# Altium PCB 主板6.PcbDoc (continued)
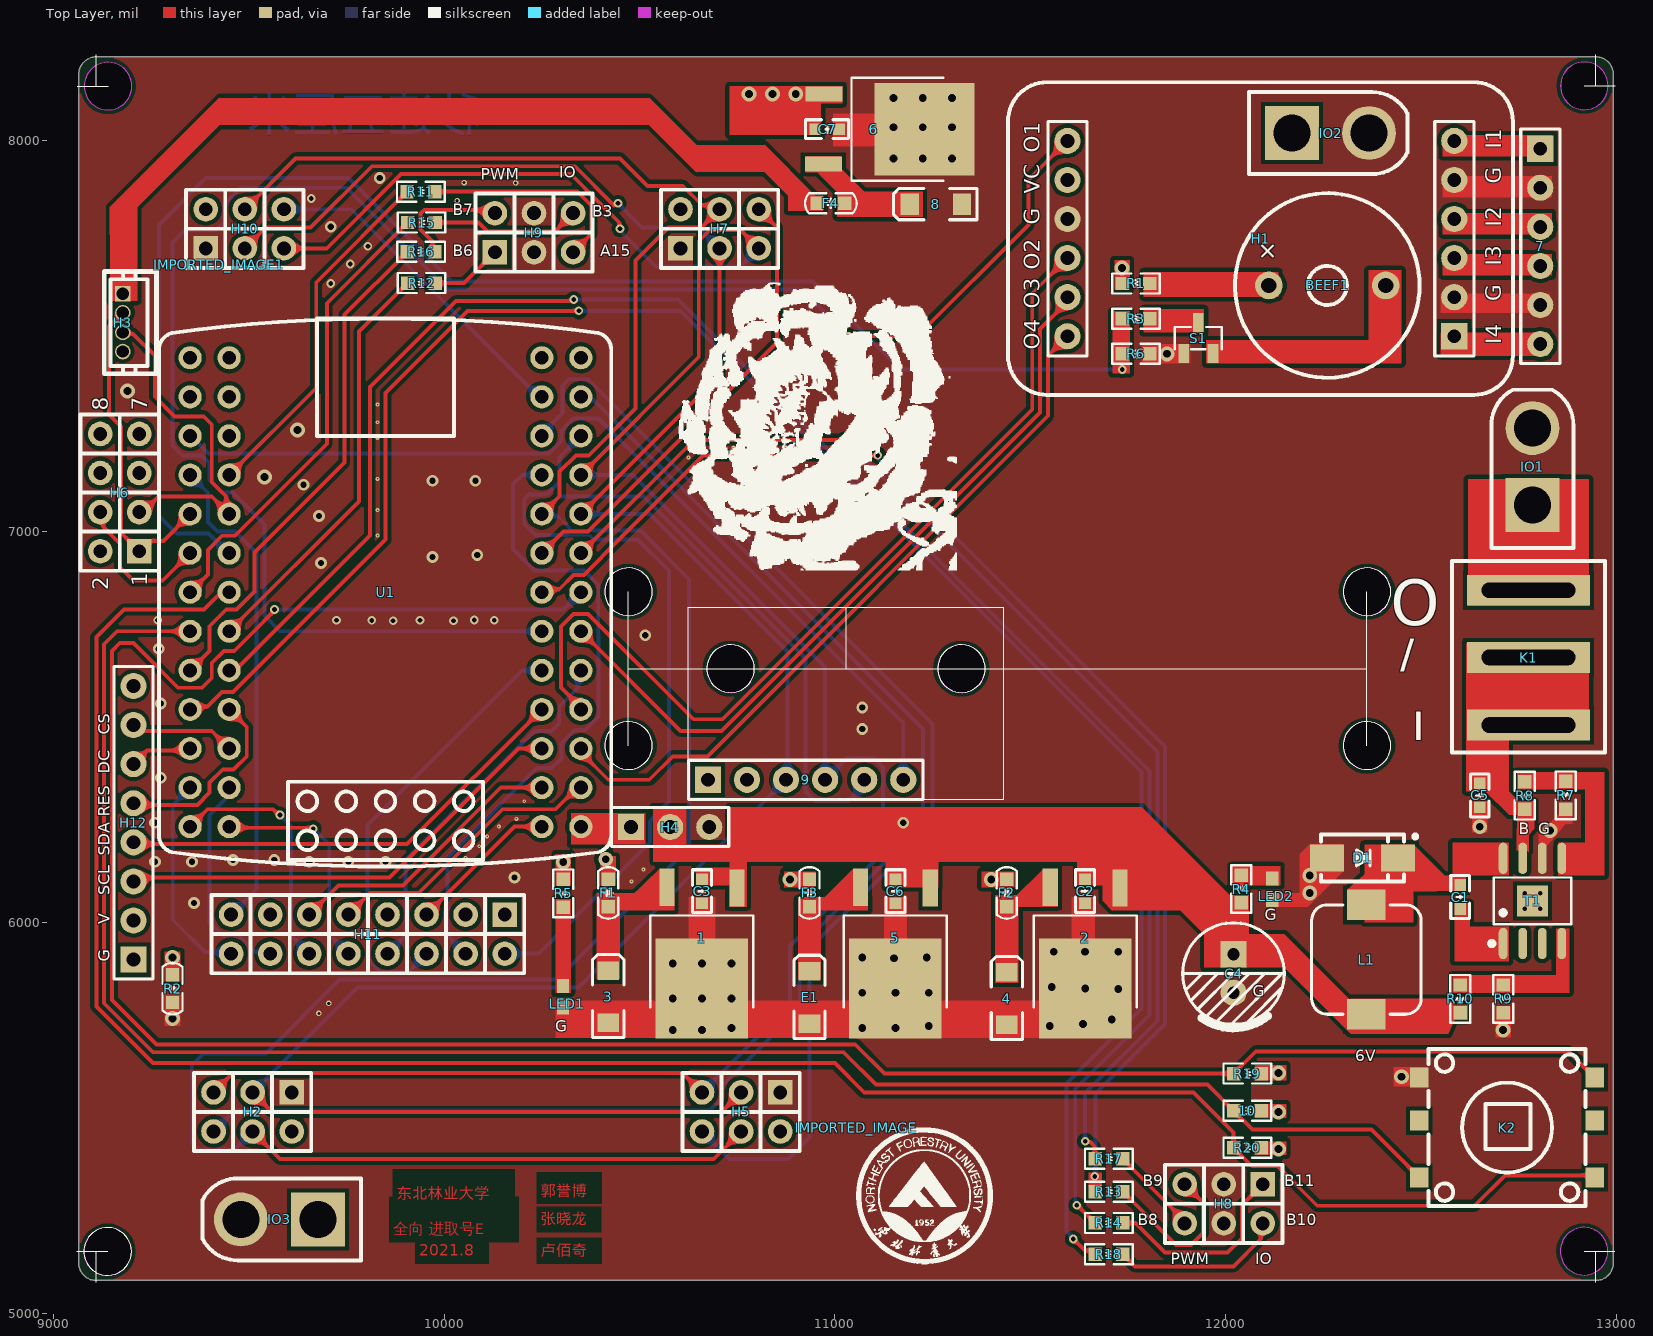
[diagram p0: Top Layer view]
## Footprints (in the part's own frame and the unit in brackets; to place one, negate y for a bottom-side part, rotate by r counter-clockwise, add the part's x,y. Pads: shape width x height; smd on the part's side, far side on the other; paste and mask are expansions set on the pad) (continued)
OP [mm]
  rect 1.7x1.7 hole 0.9: 1(0,0)
  round 1.7 hole 0.9: 2(0,-2.54) 3(0,-5.08) 4(0,-7.62) 5(0,-10.16) 6(0,-12.7) 7(25.146,-12.7) 8(25.146,-10.16) 9(25.146,-7.62) 10(25.146,-5.08) 11(25.146,-2.54) 12(25.146,0)
  silkscreen extent -3.81,-16.51 29.01,3.81, body extent -1.27,-13.97 26.42,1.27, height 8.5
SMA [mm] "4.5x2.6*2.2mm（长宽高，不包括引脚）"
  rect 2.2x1.75 smd: 1(-2.3,0) 2(2.3,0)
  silkscreen extent -2.7,-1.52 3.56,1.52, body extent -2.53,-1.3 2.58,1.3, height 2.15
"SOT-23-3_L2.9-W1.3-P1.90-LS2.4-BR - duplicate" [mm]
  rect 1.25x0.7 smd: 1(1,-0.95) 2(1,0.95) 3(-1,0)
  silkscreen extent -0.73,-1.53 0.73,1.53
SW-SPDT-3A250V [mm]
  rect 8x2 hole 1 slot 6.1 at 0 deg: 1(0,-5) 2(0,-0.635) 3(0,-9.398)
  silkscreen extent -4.98,-11.18 4.98,1.27
TPS5430 [mm]
  oval 0.574x2.038 smd: 1(-1.905,-2.769) 2(-0.635,-2.769) 3(0.635,-2.769) 4(1.905,-2.769) 5(1.905,2.769) 6(0.635,2.769) 7(-0.635,2.769) 8(-1.905,2.769)
  rect 2x2 smd: 9(0,0)
  silkscreen extent -2.79,-2.92 2.53,1.52
XT30 [mm]
  rect 3.5x3.5 hole 2.4: 1(0,0)
  round 3.5 hole 2.4: 2(5,0)
  silkscreen extent -2.79,-2.67 7.49,2.67

## Part data
1: library part LD291505V, "5v转压"
2 5: "转压3v3"
3 4 8: library part 钽电容
6: "5v转压"
7: "ICM"
9: library part "header 1*6"
10 R1 R3 R4 R5 R6 R7 R8 R9 R10 R11 R12 R13 R14 R15 R16 R17 R18 R19: library part R, "电阻"
BEEF1: "蜂鸣器"
C1 C2 C3 C5 C6: library part C, "陶瓷电容"
C4: library part C+, "有极电容"
C7: "陶瓷电容"
D1: library part D, "二极管"
E1: library part C-CD, "贴片钽电容", BOM名称=贴片钽电容, 学习资源=www.ooocke.com, 版权归属=源创客
F1 F2 F3: library part FB, "0欧磁珠"
F4: "0欧磁珠"
H1: "运放接口"
H2 H5 H7 H10: "编码器，PWM"
H3: library part "HEADER 4", "TF MINI"
H4: "舵机"
H6: "NRF"
H8 H9: library part "header 2*3", "编码器，PWM"
H11: library part "Header 2*8"
H12: library part "HEADER 8", "屏幕"
IO1 IO2 IO3: "接口"
K1: "开关"
K2: "5Key"
L1: library part L, "电感"
R2: library part R0, "0欧电阻"
R20: "电阻"
S1: "三极管"
T1: "转压8转6v"
U1: "逐飞科技 CH32V103R核心板"

## Via types
v1: diameter 38, hole 20, Top Layer to Bottom Layer, tented both sides, 59 vias
v2: diameter 30, hole 16, Top Layer to Bottom Layer, tented both sides, 28 vias
v3: diameter 22, hole 12, Top Layer to Bottom Layer, tented both sides, 27 vias
v4: diameter 10, hole 4, Top Layer to Bottom Layer, tented both sides, 22 vias
v5: diameter 14, hole 8, Top Layer to Bottom Layer, tented both sides, 5 vias
v6: diameter 24, hole 12, Top Layer to Bottom Layer, 4 vias

## Nets (pads, with @x,y where several pads share a name; then routed paths per layer and width w, separated by ;. In a path a pad name is that pad's centre, name@x,y a point inside that pad or via, vN(x,y) a via of type N, cw(c..) or ccw(c..) an arc to the next point about the centre after c; other vN are vias at no path point)
3V3_1: 9.1 10.2 F1.2 H2.2 H5.2 H6.7 H7.2 H10.2 H12.2 R1.1 R5.1 R19.2 R20.2 U1.4 U1.6
  other v1: 12135,5420 12135,5515 12135,5615 10305,6155 10413.46,6161.54 11735,7675
3V3_CAM: F3.1 H11.1 | length 49.4
  Top Layer w10: v1(10885,6110) 10922.87,6110 10925.47,6112.6 F3.1@10925.47,6120.47
3V3_OP: F2.1 H1.8 | length 40.2
  Top Layer w10: v1(11400,6110) 11427.87,6110 11429.22,6111.35 F2.1@11429.22,6121.72
5V: F4.2 H3.1
6V: 1.1 2.1 5.1 C2.2 C3.1 C4.1 C6.2 H4.2 L1.2 R4.1 R10.2
  other v2: 11175,6255
A0: H4.1 U1.27
A1: H11.5 U1.28 | length 388.2
  Top Layer w10: H11.5 10180,6245 U1.28
A2: H11.9 U1.29 | length 729.6
  Top Layer w10: H11.9 9810,6075 9935,6075 10149.53,6289.53 10285.03,6289.53 10340.5,6345 U1.29
A3: H11.11 U1.30 | length 729.6
  Top Layer w10: H11.11 9730,6095 9895,6095 10145,6345 U1.30
A4: H1.12 U1.31 | length 1844
  Top Layer w10: U1.31 10350,6435 10420,6365 10525,6365 10585,6425 10673.5,6425 11545,7296.5 11545,7450 H1.12
A5: H12.3 U1.32 | length 1181.7
  Top Layer w10: H12.3@9205,6115 9860,6115 10190,6445 U1.32
A6: H1.10 U1.33 | length 2316.8
  Top Layer w10: U1.33 10350,6550 10299.14,6600.86 10299.14,6757.11 10331.56,6789.53 10368.44,6789.53 10637.97,6520 10711.93,6520 11505,7313.07 11505,7610 H1.10
A7: H12.4 U1.34 | length 1208.3
  Top Layer w10: H12.4@9185.89,6204.11 9207.95,6204.11 9211.59,6200.47 9905.47,6200.47 U1.34
A8: H10.6 U1.50 | length 858.8
  Bottom Layer w10: H10.6 9762.37,7825 10242.37,7345 U1.50
A11: 9.6 U1.5 | length 2363.4
  Bottom Layer w10: U1.5 9352.63,7245 9397.16,7200.47 10268.44,7200.47 10300,7232.03 10300,7257.97 10317.03,7275 10331.56,7289.53 10395.47,7289.53 11175,6510 9.6
A12: H11.15 U1.7 | length 1248.7
  Bottom Layer w10: U1.7 9395.47,7099.53 9395.47,7024.53 9420,7000 9465,7000 9520,6945 9520,6085 H11.15
A15: R11.1 U1.8 | length 913.5
  Top Layer w10: U1.8 9672.84,7367.84 9672.84,7637.84 R11.1
B0: H1.11 U1.37 | length 1942.3
  Top Layer w10: U1.37 10605,6490 10710.22,6490 11525,7304.78 11525,7518.39 11595,7588.39 H1.11
B1: H1.7 U1.38 | length 4630.1
  Top Layer w10: v3(11035,7500) 11210,7500 11495,7785 11495,7900 11548.43,7953.43 H1.7
  Bottom Layer w10: U1.38 9580,6745 9540,6785 9540,7017.97 9457.97,7100 9445,7100 9444.53,7100.47 9431.56,7100.47 9400,7132.03 9400,7175 9380,7195 9330,7195 9305,7220 9305,7740 9336.5,7771.5 9416.5,7771.5 9436.5,7791.5 9436.5,7837.25 9479.24,7880 9750,7880 10010,7620 10915,7620 v3(11035,7500)
B2: K2.4 R19.1 U1.39 | length 6199.6
  Top Layer w10: v3(9566,6800.88) 9566,6798.03 9510.34,6742.37 9462.97,6695 9437.03,6695 9405.47,6663.44 9405.47,6625.47 9380.47,6600.47 9319.53,6600.47 9205,6715 9170,6715 9150,6695 9150,5801.57 9263.72,5687.85 11052.15,5687.85 11126.81,5613.19 R19.1 12077.01,5670 12877.36,5670 12923.82,5623.54 12925.79,5623.54 12944.41,5604.92 K2.4
  Bottom Layer w10: v3(9566,6800.88) 9566.41,6800.47 10305.47,6800.47 U1.39
B3: R15.1 U1.13 | length 1196
  Top Layer w10: U1.13 9395.47,6890.47 9395.47,6953.44 9431.56,6989.53 9464.53,6989.53 9700,7225 9700,7584.37 R15.1
B4: K2.6 R20.1 U1.14 | length 5436.1
  Top Layer w10: U1.14 9440.61,6835.61 9420.61,6835.61 9385.47,6800.47 9180.47,6800.47 9110,6730 9110,5785 9255,5640 11000,5640 11075,5565 11917.92,5565 11988.07,5494.85 12020.2,5462.72 R20.1 12063.39,5380 12065,5380 12068.5,5376.5 12132.71,5376.5 12234.21,5275 12636.44,5275 12714.35,5352.9 12938.55,5352.9 K2.6
B5: 10.1 K2.3 U1.15 | length 4703.8
  Top Layer w10: U1.15 9163.23,6745 9130,6711.77 9130,5793.28 9255.44,5667.85 11022.15,5667.85 11105,5585 11953.39,5585 10.1 12068.39,5470 12372.64,5470 12475,5367.64 12476.97,5367.64 12495.59,5349.02 K2.3
B6: R12.2 U1.16 | length 1080.2
  Top Layer w10: U1.16 9782.28,7077.28 9782.28,7511.65 R12.2
B7: R16.2 U1.17 | length 1316.5
  Top Layer w10: U1.17 9400,6695 9400,6757.97 9442.5,6800.47 9468.44,6800.47 9514.53,6846.56 9514.53,6946.56 9745,7177.03 9745,7555.24 R16.2
B8: R14.2 U1.18 | length 4727.6
  Top Layer w10: U1.18 9463.27,6645 9477.26,6658.99 9478.99,6658.99 9810,6990 9810,7370 10030,7590 10319.61,7590 10321.32,7591.7 10329.18,7591.7 v3(10331.47,7594) ; v3(11619,5275.95) 11620.94,5275.95 R14.2
  Bottom Layer w10: v3(10331.47,7594) 10598.27,7594 11805,6387.27 11805,5763.28 11615,5573.28 11615,5287.81 11616.7,5286.11 11616.7,5278.25 v3(11619,5275.95)
B9: R18.2 U1.19 | length 4919.3
  Top Layer w10: U1.19 9357.5,6552.5 9394.53,6552.5 9431.56,6589.53 9459.53,6589.53 9850,6980 9850,7355 10060,7565 v3(10345,7565) ; v3(11610,5190) 11639.65,5160.35 11656.54,5160.35 R18.2
  Bottom Layer w10: v3(10345,7565) 10604.65,7565 11785,6384.65 11785,5780 11593,5588 11593,5209.77 11610,5192.77 v3(11610,5190)
B10: R13.1 U1.40 | length 3229
  Top Layer w10: U1.40 10257.5,6852.5 10294.53,6852.5 10331.56,6889.53 10357.5,6889.53 10449.22,6981.25 10662.97,7195 v3(11110,7195)
  Bottom Layer w10: v3(11110,7195) 11112.3,7192.7 11112.3,7182.7 11845,6450 11845,5740 11667,5562 11667,5352 v3(11665,5350)
B11: R17.1 U1.41 | length 3061.8
  Top Layer w10: U1.41 10640,7235 v3(11025,7235) ; v3(11641,5440) 11643.3,5437.7 11654.42,5437.7 11665,5427.13 11665,5395.83 R17.1
  Bottom Layer w10: v3@11027.5,7237.5 11027.5,7234.22 11825,6436.72 11825,5748.28 11640,5563.28 11640,5441 v3(11641,5440)
B12: H7.6 U1.42 | length 1185.3
  Top Layer w10: U1.42 10305.47,7000.47 10368.44,7000.47 10851.5,7483.52 10851.5,7778.5 H7.6
B13: 9.3 H2.3 H5.3 H7.3 H10.3 U1.43 | length 6199.6
  Top Layer w10: H10.3 9543.5,7778.5 9658.5,7778.5 9815,7935 10335,7935 10435,7835 ; H2.3 9560,5515 10710,5515 H5.3 ; U1.43 10705,7400 H7.3
  Bottom Layer w10: H2.3 9778.5,5833.5 10343.5,5833.5 9.3 10878.36,6368.36 10878.36,6693.36 10526.72,7045 U1.43 ; v3(10445,7840) 10506.5,7778.5 10651.5,7778.5 H7.3
B14: 9.5 H2.4 H5.4 H7.4 H10.4 U1.44 | length 8069.7
  Top Layer w10: H10.4 9620,7955 10450,7955 10520,7885 10610.76,7885 10660.62,7835.14 10694.86,7835.14 H7.4 10658.5,7778.5 10574.3,7778.5 10490,7694.21 10490,7315 10370,7195 10337.03,7195 10295.47,7153.44 10295.47,7090.47 U1.44 ; H2.4 9580,5395 10690,5395 H5.4
  Bottom Layer w6: 10320,7010 10327.53,7002.47 10385,7002.47
  Bottom Layer w8: 10290.01,7039.99 10320,7010
  Bottom Layer w10: H2.4 9463.5,5418.5 9371.5,5418.5 9354.14,5435.86 9354.14,5634.14 9385,5665 9544.24,5665 9732.75,5853.5 10288.5,5853.5 10626.89,6191.89 10626.89,6324.96 10626.54,6325.32 10626.54,6404.68 10626.89,6405.04 10626.89,6878.11 10502.53,7002.47 10385,7002.47 ; U1.44 10294.53,7089.53 10510.47,7089.53 10925,6675 10925,6335 10950,6310 11035,6310 11075,6350 9.5 ; U1.44@10260.01,7039.99 10290.01,7039.99
B15: 9.4 H2.5 H5.5 H7.5 H10.5 U1.45 | length 5942.5
  Top Layer w10: H2.5 9460,5615 10610,5615 H5.5 ; H10.5 9699.67,7725 9889.67,7915 10324.04,7915 10396.5,7842.54 10448.64,7790.4 10448.64,7776.36 v3(10450,7775) ; U1.45 10651.5,7446.5 10651.5,7743.21 10679.78,7771.5 10758.5,7771.5 H7.5
  Bottom Layer w10: U1.45 10483.28,7145 10975,6653.28 9.4 11030,6420 11100,6420 11123.46,6396.54 11123.46,6178.46 10885,5940 10885,5790 H5.5 ; v3(10450,7775) 10450,7771.75 10455.88,7765.87 10455.88,7764.12 10541.5,7678.5 10758.5,7678.5 H7.5
BAT: 6.1 C5.2 C7.2 IO2.1 IO3.1 K1.1 K1.3 R8.2 T1.7
  other v1: 10780,8120 10840,8120 10900,8120
C0: H11.16 U1.23 | length 542.1
  Bottom Layer w10: U1.23 9305.47,6300.47 9305.47,6006.88 9388,5924.36 9450.64,5924.36 H11.16
C1: H11.14 U1.24 | length 554.3
  Bottom Layer w10: U1.24 9440.61,6335.61 9440.61,6315.61 9400,6275 9400,6000 9433.5,5966.5 9474.26,5966.5 9501.5,5939.26 9501.5,5938.5 9514.62,5925.38 9549.62,5925.38 H11.14
C2: H11.12 U1.25 | length 640.5
  Top Layer w10: U1.25 9394.53,6289.53 9562.23,6289.53 9576.75,6275 v3(9580,6275)
  Bottom Layer w10: v3(9580,6275) 9608.5,6246.5 9608.5,5966.5 H11.12
C3: H11.10 U1.26 | length 574.4
  Top Layer w10: U1.26 9452.7,6242.3 9662.7,6242.3 v3(9665,6240)
  Bottom Layer w10: v3(9665,6240) 9706.08,6198.92 9706.08,5968.92 H11.10
C4: H11.8 U1.35 | length 955.2
  Bottom Layer w10: H11.8 9901.5,5966.5 9901.5,6159.47 10231.56,6489.53 10274.53,6489.53 10294.53,6509.53 10294.53,6552.5 10342.5,6600.47 10342.5,6637.5 U1.35
C5: H11.6 U1.36 | length 1137.1
  Bottom Layer w10: H11.6 9908.5,5873.5 9835.74,5873.5 9808.5,5900.74 9808.5,5966.5 9804.14,5970.86 9804.14,6249.14 10200,6645 U1.36
C6: H11.4 U1.46 | length 1665.5
  Bottom Layer w10: H11.4 10008.5,5966.5 10008.5,6166.48 10237.03,6395 10275,6395 10300,6420 10300,6457.97 10334.29,6492.26 10360.24,6492.26 10395,6527.03 10395,6737.03 10394.53,6737.5 10394.53,6863.44 10357.5,6900.47 10231.56,6900.47 10176.72,6955.31 10176.72,7121.57 10200.15,7145 U1.46
C7: H11.2 U1.47 | length 1936.7
  Bottom Layer w6: 10315,6990 10373.35,6990 10378.59,6984.76
  Bottom Layer w8: 10314,6991 10315,6990 ; 10378.59,6984.76 10383.14,6980.21 ; 10394.79,6980.21 10395,6980
  Bottom Layer w10: H11.2 10242.64,5920 10526.89,6204.26 10526.89,6258.92 10529.97,6261.99 10529.97,6264.01 10575,6309.05 10575,6900 10495,6980 10395,6980 ; 10314,6991 10234,6991 10205,7020 10205,7082.43 10217.57,7095 10262.97,7095 10294.53,7126.56 10294.53,7159.53 10295,7160 10295,7190 10310,7205 U1.47 ; 10383.14,6980.21 10394.79,6980.21
C8: H5.6 U1.48 | length 2984.6
  Bottom Layer w10: U1.48 10250,7250 10303.28,7303.28 10303.28,7373.28 10320,7390 10367.97,7390 11250,6507.97 11250,6248.43 10935,5933.43 10935,5450 10880,5395 10730,5395 H5.6
C9: H2.6 U1.49 | length 3721.1
  Bottom Layer w10: H2.6 9463.5,5518.5 10679.26,5518.5 10710,5549.24 10710,5580.76 10759.24,5630 10910,5780.76 10910,5936.72 11225,6251.72 11225,6495 10383.99,7336.01 10358.99,7336.01 U1.49
C10: H3.2 H6.1 U1.9 | length 825.6
  Top Layer w10: H3.2 9142.91,7524.82 9142.91,7299.95 9173.5,7269.36 9173.5,7025.02 9173.89,7024.64 9173.89,6996.11 H6.1 9246.5,6976.5 9281.5,6976.5 U1.9
C11: H3.3 H6.3 U1.10 | length 888.7
  Top Layer w10: H3.3 9181.52,7506.2 9203.8,7506.2 9259.76,7450.24 9259.76,7345.24 9310,7295 9385,7295 9405.47,7274.53 9405.47,7126.56 9442.5,7089.53 U1.10@9442.5,7052.5 ; H6.3 9230,7050 9269.53,7089.53 9405.47,7089.53 U1.10@9442.5,7052.5 ; U1.10 U1.10@9442.5,7052.5
C12: H6.4 U1.11 | length 384.2
  Top Layer w10: H6.4 9127.88,7042.12 9127.88,7012.12 9171.01,6968.99 9171.01,6908.99 9205,6875 9280,6875 U1.11
C13: H12.5 U1.20 | length 497.3
  Top Layer w10: H12.5 9209.53,6300.47 9368.44,6300.47 9400,6332.03 9400,6357.97 9433.51,6391.49 9461.49,6391.49 9495,6425 9495,6500 U1.20
C14: H12.6 U1.21 | length 161.6
  Top Layer w10: H12.6 9240,6440 9345,6440 U1.21
C15: H12.7 U1.22 | length 269.9
  Top Layer w10: H12.7 9220.4,6505 9235.4,6490 9342.03,6490 9342.5,6489.53 9405.47,6489.53 U1.22
D2: R3.1 R6.1 U1.12 | length 3682
  Bottom Layer w10: U1.12 9446.72,6945 9396.72,6995 9315,6995 9270,7040 9270,7785 9390,7905 9755,7905 10020,7640 10943.38,7640 11168.38,7415 v3(11735,7415)
DGND: 9.2 H3.4 H6.5 H6.6 H11.3 H11.13 H12.1 R2.2 U1.1 U1.3
  other v1: 9305,5910
GND: 1.2 2.2 3.2 4.2 5.2 6.2 7.2 7.5 8.2 C2.1 C3.2 C4.2 C5.1 C6.1 C7.1 D1.1 E1.2 H1.2 H1.5 H1.9 H2.1 H4.3 H5.1 H7.1 H8.3 H8.4 H9.3 H9.4 H10.1 IO1.2 IO2.2 IO3.2 K2.1 LED1.LED- LED2.LED- R2.1 R6.2 R7.1 R9.1 S1.1 T1.6
  other v1: 12450,5605 10585,5725 10660,5725 12710,5725 10735,5730 11070,5730 11155,5730 11240,5735 11550,5735 11635,5740 11708.46,5751.54 9305,5754 10585,5805 10660,5805 10735,5805 11070,5820 11155,5820 11240,5820 11725,5830 11640.52,5830.8 11555,5835 10585,5895 10660,5895 10735,5895 11151.54,5908.46 11070,5910 11235,5910 11560,5925 11640,5925 11725,5925 12215,6075 12215,6120 12830,6235 12650,6245 9540,7140 9625,7260 9190,7360 11850,7455 11150,7955 11225,7955 11300,7955 11150,8035 11225,8035 11300,8035 11150,8110 11225,8110 11300,8110
  other v2: 9360,6050 10180,6115 9260,6155 9355,6155 9655,6155 9755,6155 9850,6155 9460,6160 9565,6160 9260,6255 9275,6370 11070,6495 11070,6550 9275,6560 9270,6700 10515,6735 9685,6920 9970,6935 10085,6940 9680,7040 9640,7120 9970,7130 10080,7130 10765,7505 10765,7560 9710,7780 9835,7905
  other v3: 9869.41,6772.25 10023.93,6772.2 9724.55,6772.88 9814.61,6772.85 9938.36,6773.06 10128.64,6773.06 9266.75,6773.61 10076.88,6773.86 9710,7635 9760,7685 9805,7730 9659.83,7852.54
  other v4: 10480,6105 10510,6135 10055,6165 10090,6195 10110,6220 10140,6245 10185,6265 10205,6310 9830,6990 9830,7055 9830,7135 10625,7190 10655,7215 10700,7215 10740,7215 10785,7215 10830,7215 10875,7215 10910,7215 9830,7240 9830,7280 9830,7325
  other v5: 9679.76,5767.27 9704.81,5792.62 10033,7846.74 10051.33,7892.98 10182.98,7892.56
Net1_3: 1.3 3.1 F1.1
Net2_3: 2.3 4.1 F2.2
Net5_3: 5.3 E1.1 F3.2
Net6_3: 6.3 8.1 F4.1
Net7_1: 7.1 H1.6
Net7_3: 7.3 H1.4
Net7_4: 7.4 H1.3
Net7_6: 7.6 H1.1
NetBEEF1_1: BEEF1.1 R1.2
NetBEEF1_2: BEEF1.2 S1.2
NetC1_1: C1.1 T1.1
NetC1_2: C1.2 D1.2 L1.1 T1.8
NetH8_1: H8.1 R14.1 | length 512.1
  Top Layer w10: R14.1 11768.94,5231.06 11845,5155 12005,5155 12041.5,5191.5 12041.5,5276.5 H8.1
NetH8_2: H8.2 R18.1 | length 437.2
  Top Layer w10: R18.1 11767.76,5120 12020,5120 12089.62,5189.62 12089.62,5224.62 H8.2
NetH8_5: H8.5 R13.2 | length 418
  Top Layer w10: R13.2 11872.76,5175 11911.72,5175 11941.5,5204.78 11941.5,5283.5 H8.5
NetH8_6: H8.6 R17.2 | length 230.6
  Top Layer w10: R17.2 11895,5236.69 H8.6
NetH9_1: H9.1 R12.1 | length 185.1
  Top Layer w10: R12.1 10051.06,7636.06 H9.1
NetH9_2: H9.2 R16.1 | length 310.4
  Top Layer w10: R16.1 9970.83,7721.93 9970.83,7742.33 9955.2,7757.96 9940,7773.16 9940,7814.14 9949.05,7823.19 10121.81,7823.19 H9.2
NetH9_5: H9.5 R11.2 | length 554
  Top Layer w10: R11.2 10340.76,7870 10376.5,7834.26 10376.5,7761.5 H9.5
NetH9_6: H9.6 R15.2 | length 381
  Top Layer w10: R15.2 10088.18,7791.06 10110.74,7768.5 10283.5,7768.5 H9.6
NetIO1_1: IO1.1 K1.2
NetLED1_LED+: LED1.LED+ R5.2
NetLED2_LED+: LED2.LED+ R4.2
NetR3_2: R3.2 S1.3
NetR7_2: R7.2 R8.1 T1.5
NetR9_2: R9.2 R10.1 T1.4
pads on no net: H6.2 H6.8 H11.7 H12.8 K2.2 K2.5 LED1.2 LED2.2 T1.2 T1.3 T1.9 U1.2 U1.51 U1.52
copper on no net:
  other v6: 12765.32,6035.31 12804.69,6035.31 12765.32,6074.68 12804.69,6074.68

## Polygon pours and split planes (outlines as drawn)
GND on Bottom Layer "BOTTOM-GND" (solid, remove dead copper, pour order 1): 9064.04,8215.96 9065,8215 9065,5083.62 12990.71,5083.62 12990.98,5083.88 12990.98,8215.88
GND on Top Layer "TOP-GND" (solid, remove dead copper, pour order 0): 9065,8215 9065.96,8214.04 9065.96,5082.66 12991.67,5082.66 12991.93,5082.93 12991.93,8214.93
BAT on PWR3 (split plane): 345 vertices, not listed, extent 9125.11,5143.82 12931.91,8154.89
3V3_1 on PWR3 (split plane): 11695.22,7979.64 11700.35,7978.62 11705.3,7976.94 11709.99,7974.63 11714.34,7971.72 11718.27,7968.27 11721.72,7964.34 11724.63,7959.99 11726.94,7955.3 11728.62,7950.35 11729.64,7945.22 11729.96,7940.36 11729.91,7940 11729.91,7935 11730.28,7928.27 11731.41,7921.63 11733.28,7915.15 11735.86,7908.93 11739.12,7903.03 11743.02,7897.53 11747.51,7892.51 11752.53,7888.02 11758.03,7884.12 11763.93,7880.86 11770.15,7878.28 11776.63,7876.41 11783.27,7875.28 11790,7874.91 12525,7874.91 12525.36,7874.96 12530.22,7874.64 12535.35,7873.62 12540.3,7871.94 12544.99,7869.63 12549.34,7866.72 12553.27,7863.27 12556.72,7859.34 12559.63,7854.99 12561.94,7850.3 12563.62,7845.35 12564.64,7840.22 12564.96,7835.36 12564.91,7835 12564.91,5420 12564.96,5419.64 12564.64,5414.78 12563.62,5409.65 12561.94,5404.7 12559.63,5400.01 12556.72,5395.66 12553.27,5391.73 12549.34,5388.28 12544.99,5385.37 12540.3,5383.06 12535.35,5381.38 12530.22,5380.36 12525.36,5380.04 12525,5380.09 9125.11,5380.09 9125.11,7979.91 11690,7979.91 11690.36,7979.96
3V3_OP on PWR3 (split plane): 11640.22,7944.64 11645.35,7943.62 11650.3,7941.94 11654.99,7939.63 11659.34,7936.72 11663.27,7933.27 11666.72,7929.34 11669.63,7924.99 11671.94,7920.3 11673.62,7915.35 11674.64,7910.22 11674.96,7905.36 11674.91,7905 11674.91,5690 11674.96,5689.64 11674.64,5684.78 11673.62,5679.65 11671.94,5674.7 11669.63,5670.01 11666.72,5665.66 11663.27,5661.73 11659.34,5658.28 11654.99,5655.37 11650.3,5653.06 11645.35,5651.38 11640.22,5650.36 11635.36,5650.04 11635,5650.09 11420,5650.09 11419.64,5650.04 11414.78,5650.36 11409.65,5651.38 11404.7,5653.06 11400.01,5655.37 11395.66,5658.28 11391.73,5661.73 11388.28,5665.66 11385.37,5670.01 11383.06,5674.7 11381.38,5679.65 11380.36,5684.78 11380.04,5689.64 11380.09,5690 11380.09,6140 11380.04,6140.36 11380.36,6145.22 11381.38,6150.35 11383.06,6155.3 11385.37,6159.99 11388.28,6164.34 11391.73,6168.27 11395.66,6171.72 11400.01,6174.63 11404.7,6176.94 11409.65,6178.62 11414.78,6179.64 11419.64,6179.96 11420,6179.91 11450,6179.91 11456.73,6180.28 11463.37,6181.41 11469.85,6183.28 11476.07,6185.86 11481.97,6189.12 11487.47,6193.02 11492.49,6197.51 11496.98,6202.53 11500.88,6208.03 11504.14,6213.93 11506.72,6220.15 11508.59,6226.63 11509.72,6233.27 11510.09,6240 11510.09,7905 11510.04,7905.36 11510.36,7910.22 11511.38,7915.35 11513.06,7920.3 11515.37,7924.99 11518.28,7929.34 11521.73,7933.27 11525.66,7936.72 11530.01,7939.63 11534.7,7941.94 11539.65,7943.62 11544.78,7944.64 11549.64,7944.96 11550,7944.91 11635,7944.91 11635.36,7944.96
3V3_CAM on PWR3 (split plane): 10880,6179.91 10945,6179.91 10945.31,6179.95 10949.57,6179.68 10954.05,6178.78 10958.38,6177.31 10962.49,6175.29 10966.29,6172.75 10969.73,6169.73 10972.75,6166.29 10975.29,6162.49 10977.31,6158.38 10978.78,6154.05 10979.68,6149.57 10979.95,6145.31 10979.91,6145 10979.91,5745 10979.96,5744.64 10979.64,5739.78 10978.62,5734.65 10976.94,5729.7 10974.63,5725.01 10971.72,5720.66 10968.27,5716.73 10964.34,5713.28 10959.99,5710.37 10955.3,5708.06 10950.35,5706.38 10945.22,5705.36 10940.36,5705.04 10940,5705.09 10055,5705.09 10054.64,5705.04 10049.78,5705.36 10044.65,5706.38 10039.7,5708.06 10035.01,5710.37 10030.66,5713.28 10026.73,5716.73 10023.28,5720.66 10020.37,5725.01 10018.06,5729.7 10016.38,5734.65 10015.36,5739.78 10015.04,5744.64 10015.09,5745 10015.09,6075 10015.04,6075.36 10015.36,6080.22 10016.38,6085.35 10018.06,6090.3 10020.37,6094.99 10023.28,6099.34 10026.73,6103.27 10030.66,6106.72 10035.01,6109.63 10039.7,6111.94 10044.65,6113.62 10049.78,6114.64 10054.64,6114.96 10055,6114.91 10190,6114.91 10190.31,6114.95 10194.57,6114.68 10199.05,6113.78 10203.38,6112.31 10207.49,6110.29 10211.29,6107.75 10214.73,6104.73 10217.75,6101.29 10220.29,6097.49 10222.31,6093.38 10223.78,6089.05 10224.68,6084.57 10224.95,6080.31 10224.91,6080 10225.28,6073.27 10226.41,6066.63 10228.28,6060.15 10230.86,6053.93 10234.12,6048.03 10238.02,6042.53 10242.51,6037.51 10247.53,6033.02 10253.03,6029.12 10258.93,6025.86 10265.15,6023.28 10271.63,6021.41 10278.27,6020.28 10285,6019.91 10820,6019.91 10820,6019.9 10823.92,6020.29 10827.69,6021.43 10831.17,6023.29 10834.21,6025.79 10836.71,6028.83 10838.57,6032.31 10839.71,6036.08 10840.1,6040 10840.09,6040 10840.09,6140 10840.04,6140.36 10840.36,6145.22 10841.38,6150.35 10843.06,6155.3 10845.37,6159.99 10848.28,6164.34 10851.73,6168.27 10855.66,6171.72 10860.01,6174.63 10864.7,6176.94 10869.65,6178.62 10874.78,6179.64 10879.64,6179.96
GND on GND2 (split plane): 418 vertices, not listed, extent 9085.11,5103.82 12971.9,8194.89
DGND on GND2 (split plane): 190 vertices, not listed, extent 9085.11,5840.04 11269.96,7569.96

## Keep-outs
Keep-Out Layer:
  circle w1: c12917.01,5158.71 r61.02
  circle w1: c12917.78,8140.77 r61.02
  circle w1: c9140,8140 r61.02
  circle w1: c9139.08,5158.03 r61.02
  circle w1: c10733.17,6649.46 r61.02
  circle w1: c11323.72,6649.46 r61.02
  circle w1: c10471.75,6846.31 r61.02
  circle w1: c10471.75,6452.61 r61.02
  circle w1: c12361.51,6846.31 r61.02
  circle w1: c12361.51,6452.61 r61.02

## Other copper
Top Layer:
  rectangle net 5V: 9145,7590 9215,7830
  rectangle net 5V: 9425,8040 10525,8110
  rectangle net 5V: 10645,7920 10820,7990
  rectangle net 5V: 10880,7820 10970,7860
  rectangle net Net6_3: 11005,7805 11225,7870
  rectangle net BAT: 10730,8015 10965,8095
  rectangle net GND: 10995,7985 11205,8070
  rectangle net BAT: 10730,8095 11020,8140
  rectangle net Net7_1: 12555,7960 12835,8015
  rectangle net Net7_3: 12555,7760 12835,7815
  rectangle net Net7_4: 12555,7655 12835,7710
  rectangle net Net7_6: 12550,7450 12825,7510
  rectangle net NetLED2_LED+: 12015,6095 12140,6145
  rectangle net NetLED1_LED+: 10285,5820 10325,6060
  rectangle net 3V3_1: 12075,5595 12155,5635
  rectangle net 3V3_1: 12075,5500 12155,5535
  rectangle net 3V3_1: 12075,5405 12155,5440
  rectangle net B10: 11649.16,5323.1 11683.12,5360
  rectangle net A0: 10325,6200 10515,6280
  rectangle net D2: 11710,7405 11755,7565
  rectangle net NetBEEF1_2: 12365,7490 12450,7670
  rectangle net NetBEEF1_2: 11950,7430 12450,7490
  rectangle net NetR3_2: 11790,7510 11945,7570
  rectangle net NetBEEF1_1: 11790,7600 12135,7665
  rectangle net GND: 12555,7855 12835,7910
  rectangle net GND: 12550,7560 12830,7610
  rectangle net NetIO1_1: 12620,6810 12930,7135
  rectangle net Net2_3: 11410,6040 11570.55,6070
  rectangle net Net2_3: 11410,5845 11470,6060
  rectangle net Net5_3: 10915,6030 11085,6065
  rectangle net Net5_3: 10905,5855 10965,6060
  rectangle net Net1_3: 10390,6030 10588.97,6075
  rectangle net Net1_3: 10390,5855 10450,6070
  rectangle net NetR7_2: 12850,6120 12920,6205
  rectangle net NetR7_2: 12920,6120 12970,6340
  rectangle net NetR7_2: 12745,6340 12970,6385
  rectangle net NetR9_2: 12845,5825 12880,5985
  rectangle net NetR9_2: 12580,5820 12880,5865
  rectangle net GND: 12690,5705 12730,5785
  rectangle net NetC1_1: 12585,5900 12725,5990
  rectangle net NetC1_1: 12585,5900 12625,6050
  rectangle net NetC1_2: 12580,6120 12725,6205
  rectangle net NetC1_2: 12520,6080 12615,6120
  rectangle net NetC1_2: 12355,6000 12480,6200
  rectangle net 6V: 11945,5885 12060,6070
  rectangle net GND: 11785,7430 11910,7480
  rectangle net GND: 12105,6040 12190,6075
  rectangle net GND: 12630,6230 12670,6310
  rectangle net GND: 12860.95,6252.5 12886.9,6273.13
  rectangle net GND: 12800,6195 12820,6225
  rectangle net GND: 12430,5580 12515,5630
  rectangle net 3V3_1: 10400,6095 10440,6170
  rectangle net 3V3_1: 10285,6095 10325,6175
  rectangle net GND: 11605,5940 11665,6065
  rectangle net GND: 11125,5925 11185,6065
  rectangle net GND: 10625,5940 10695,6065
  rectangle net GND: 10285,5703.62 11760,5800
  rectangle net 3V3_1: 11715,7620 11755,7695
  rectangle net BAT: 12745,6240 12790,6305
  rectangle net BAT: 12615,6335 12725,6470
  rectangle net BAT: 12615,6470 12930,6715
  rectangle net 6V: 10610,6155 10745,6200
  rectangle net 6V: 10535,6155 10620,6295
  rectangle net 6V: 10645,6095 10775,6140
  rectangle net 6V: 10730,6040 10775,6200
  rectangle net 6V: 11130,6090 11265,6245
  rectangle net 6V: 10730,6155 11625,6295
  rectangle net 6V: 11620,6095 11690,6295
  rectangle net 6V: 11620,6095 11710,6295
  rectangle net 6V: 11710,6030 12060,6070
  rectangle net 6V: 11945,5885 12150,5970
  rectangle net 6V: 12585,5750 12620,5790
  rectangle net 6V: 12320,5715 12570,5805
  region net 3V3_CAM: 10950,6090 10950,6130 10870,6130 10870,6090
  region net 3V3_OP: 11460,6090 11460,6130 11375,6130 11375,6090
  rectangle net DGND: 9285,5848.53 9325,5925
  rectangle net GND: 9285,5735 9325,5815
  region net 5V: 10645,7990 10525,8110 10525,8040 10645,7920
  region net 5V: 9425,8110 9145,7830 9145,7760 9425,8040
  region net 5V: 10820,7920 10880,7860 10940,7860 10950,7860 10820,7990
  region net Net6_3: 11005,7870 10955,7920 10925,7920 10925,7960 11015,7960 11015,7930 11075,7870
  pour cut-out: 11969.19,5597.9 11967.12,5592.9 12015.07,5545.31 12047.32,5545.31 12047.36,5513.01 12059.32,5500.7 12063.94,5502.61 12063.94,5628.77 12059.32,5630.68 12047.32,5618.32 12047.32,5586.06 11993.07,5586.06 11993.07,5597.9
  region net Net2_3: 11532.78,6136.71 11457.78,6061.71 11567.78,6061.71 11569.75,6059.75
  region net Net1_3: 10551.97,6137.48 10473.62,6062.12 10583.62,6062.12 10588.62,6067.12
  region net Net5_3: 11045,6135 10970,6060 11080,6060 11085,6065
  region net NetC1_2: 12540,6140 12560,6120 12560,6115 12539.5,6115 12538.99,6114.5
  region net NetC1_2: 12540,6140 12480,6200 12480,6080 12540,6080
  region net NetC1_2: 12311.28,6083.88 12355.11,6122.23 12355.11,6083.88
  region net GND: 12190,6175 12215,6200 12300,6200 12300,6130 12210,6040 12190,6040
  region net GND: 12885.2,6271.36 12835,6232.31 12835,6210
  region net GND: 12820,6225 12835,6225 12835,6210 12820,6195
  region net GND: 12800,6225 12855,6280 12886.91,6280 12835,6225
  region net BAT: 12665,6335 12725,6275 12790,6275 12790,6310 12750,6310 12725,6335
  region net BAT: 12745,6240 12745,6185 12770,6185 12775,6180 12775,6225 12790,6240
  region net 6V: 11710,6030 11685,6055 11685,6105 11700,6105 11710,6095
  region net 6V: 12059.64,6002.5 11948.33,5966.67 11740.83,6174.16
  region net 6V: 11705,6295 11785,6295 12014.52,6065.48 11705,6065.48
  region net 6V: 12150,5970 12320,5800 12320,5715 12150,5885
  region net 6V: 12570,5805 12585,5790 12585,5750 12570,5715
  text "郭誉博" at 10247.1,5289.55 h50
  text "东北林业大学" at 9879.12,5282.07 h50
  text "张晓龙" at 10247.1,5217.04 h50
  text "全向 进取号E" at 9869.54,5191.39 h50
  text "2021.8" at 9935.99,5136.59 h50
  text "卢佰奇" at 10247.1,5136.95 h50
Bottom Layer:
  text "秒速五厘米" at 10094.21,7995.39 h150
GND2 (plane layer: these items are gaps in the copper):
  lines w20: 9065,5840 ccw(c9075,5840) 9075,5830 10200,5830 ccw(c10200,5880) 10250,5880 10250,6270 cw(c10300,6270) 10300,6320 11230,6320 ccw(c11230,6370) 11280,6370 11280,6415 ccw(c11230,6415) 11230,6465 10485,6465 cw(c10485,6515) 10435,6515 10435,7530 ccw(c10385,7530) 10385,7580 9065,7580
PWR3 (plane layer: these items are gaps in the copper):
  lines w20: 9060,7985 cw(c9065,7985) 9065,7990 11690,7990 cw(c11690,7940) 11740,7940 11740,7935 ccw(c11790,7935) 11790,7885 12525,7885 cw(c12525,7835) 12575,7835 12575,5420 cw(c12525,5420) 12525,5370 9070,5370 ccw(c9070,5365) 9065,5365 ; 10005,5745 ccw(c10055,5745) 10055,5695 10940,5695 ccw(c10940,5745) 10990,5745 10990,6145 ccw(c10945,6145) 10945,6190 10930,6190 10880,6190 ccw(c10880,6140) 10830,6140 10830,6040 cw(c10820,6040) 10820,6030 10285,6030 cw(c10285,6080) 10235,6080 ccw(c10190,6080) 10190,6125 10055,6125 ccw(c10055,6075) 10005,6075 10005,5745 ; 11370,5690 ccw(c11420,5690) 11420,5640 11635,5640 ccw(c11635,5690) 11685,5690 11685,7905 ccw(c11635,7905) 11635,7955 11550,7955 ccw(c11550,7905) 11500,7905 11500,6240 cw(c11450,6240) 11450,6190 11420,6190 ccw(c11420,6140) 11370,6140 11370,5690

## Silkscreen, mask and mechanical layers (free items; w line width, h text height)
Top Overlay:
  drawing of 4783 lines, arcs and shapes, not listed
  text "IO" at 10294.91,7895 h50
  text "PWM" at 10094.29,7890 h50
  text "B7" at 10022.11,7800 h50
  text "B3" at 10379.59,7795 h50
  text "B6" at 10021.76,7695 h50
  text "A15" at 10399.29,7695 h50
  text "O" at 12548.31,6915 h200 r180
  text "/" at 12446.61,6622.95 h150
  text "I" at 12475.99,6437.95 h150
  text "B" at 12749.58,6215 h50
  text "G" at 12799.77,6215 h50
  text "G" at 12099.35,5995 h50
  text "G" at 12069.35,5800 h50
  text "G" at 10284.35,5710 h50
  text "6V" at 12331.53,5635 h50
  text "B9" at 11787.39,5315 h50
  text "B11" at 12149.93,5315 h50
  text "B8" at 11774.91,5215 h50
  text "B10" at 12154.93,5215 h50
  text "PWM" at 11859.91,5115 h50
  text "IO" at 12076.01,5115 h50
Top Solder:
  rectangle: 9870,5135 10410,5355
Bottom Solder:
  rectangle: 9355,8000 10095,8130
Mechanical 1:
  lines w10: 9060,8169.61 9060,5128.71 ccw(c9110,5128.71) 9110,5078.71 12947.01,5078.71 ccw(c12947.01,5128.72) 12997.02,5128.72 12997.02,8178.32 ; 9060,8170 cw(c9110,8170) 9110,8220 ; 12997.01,8170 ccw(c12947.01,8170) 12947.01,8220 ; 9110,8220 12947.01,8220 ; 9110,8220 12947.01,8220

## Text inside footprints (layer, text, board x,y; h text height)
BEEF1: Top Overlay "+" at 12102.68,7681.82 h50 r45
H1: Top Overlay "I1" at 12705,7980 h40 r90; Top Overlay "G" at 12705,7890 h40 r90; Top Overlay "I2" at 12705,7780 h40 r90; Top Overlay "I3" at 12705,7680 h40 r90; Top Overlay "G" at 12705,7590 h40 r90; Top Overlay "I4" at 12705,7480 h40 r90; Top Overlay "O4" at 11524.25,7464.99 h40 r90; Top Overlay "O3" at 11524.25,7569.99 h40 r90; Top Overlay "O2" at 11524.25,7669.99 h40 r90; Top Overlay "G" at 11524.25,7784.99 h40 r90; Top Overlay "VC" at 11524.25,7864.99 h40 r90; Top Overlay "O1" at 11524.25,7969.99 h40 r90
H6: Top Overlay "7" at 9240,7310 h40 r90; Top Overlay "2" at 9140,6850 h40 r90; Top Overlay "1" at 9240,6860 h40 r90; Top Overlay "8" at 9140,7310 h40 r90
H12: Top Overlay "CS" at 9145,6480 h30 r90; Top Overlay "DC" at 9145,6380 h30 r90; Top Overlay "RES" at 9145,6270 h30 r90; Top Overlay "SDA" at 9145,6170 h30 r90; Top Overlay "SCL" at 9145,6070 h30 r90; Top Overlay "V" at 9145,5995 h30 r90; Top Overlay "G" at 9145,5900 h30 r90